# KiCad board jetson-orin-baseboard-oculink-expansion.kicad_pcb (continued)
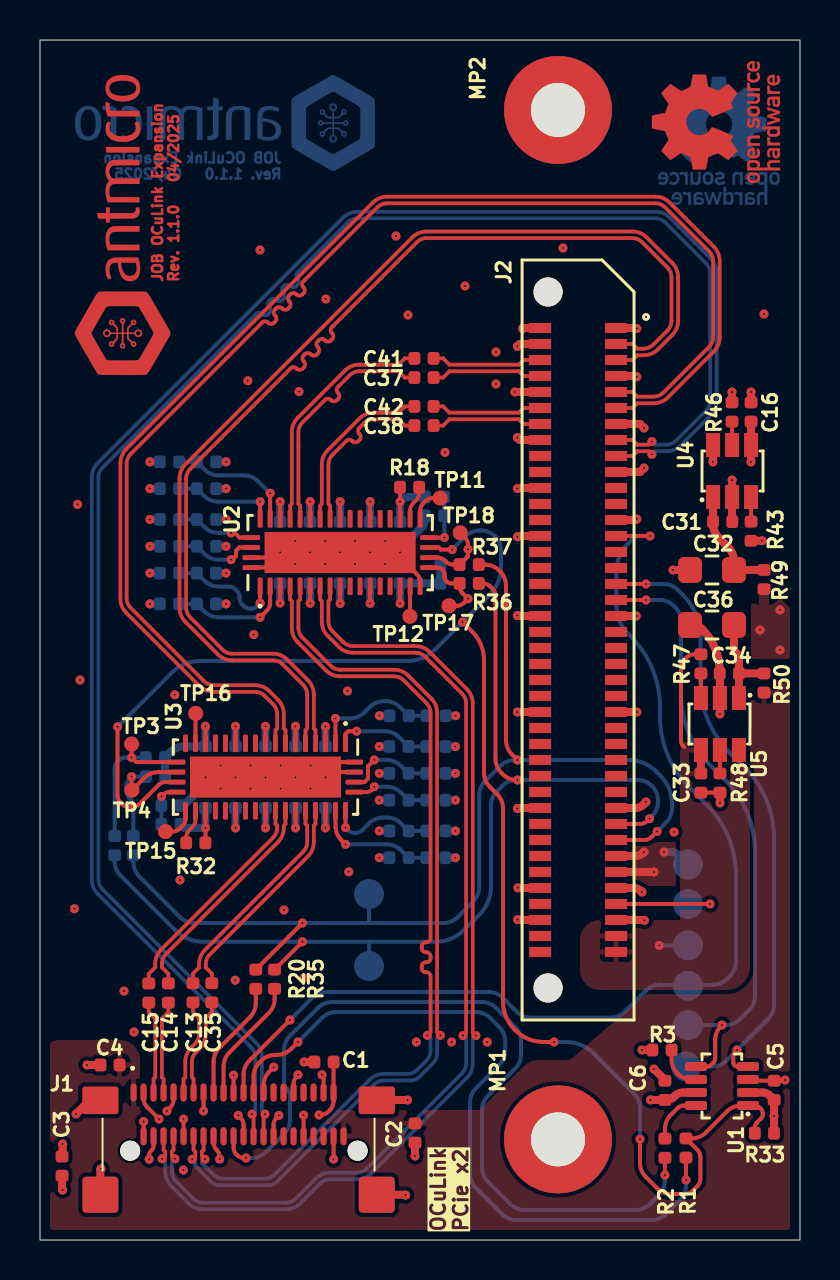
[diagram p0: board, top side]
## Library data of the parts (continued)
R46 = -: Datasheet: https://www.bourns.com/docs/product-datasheets/cr.pdf; Description: SMD Chip Resistor, 5.6 kohm, ± 1%, 62.5 mW, 0402 [1005 Metric], Thick Film, General Purpose; MPN: CR0402-FX-5601GLF; Manufacturer: Bourns; License: Apache-2.0; Author: Antmicro; Val: 5k6; Tolerance: 1%; Field10: Author: Antmicro; Field12: License: Apache-2.0
R48 = -: Datasheet: https://www.bourns.com/docs/product-datasheets/cr.pdf; Description: SMD Chip Resistor, 11.3 kohm, ± 1%, 62.5 mW, 0402 [1005 Metric], Thick Film, General Purpose; MPN: CR0402-FX-1132GLF; Manufacturer: Bourns; License: Apache-2.0; Author: Antmicro; Val: 11k3; Tolerance: 1%; Field10: License: Apache-2.0; Field12: Author: Antmicro
R50 = -: Datasheet: https://industrial.panasonic.com/cdbs/www-data/pdf/RDA0000/AOA0000C301.pdf; Description: SMD Chip Resistor, Jumper, 0 ohm, 100 mW, 0402 [1005 Metric], Thick Film, General Purpose; MPN: ERJ2GE0R00X; Manufacturer: Panasonic; License: Apache-2.0; Author: Antmicro; Val: 0R; Current: 1A; Field11: License: Apache-2.0; Field13: Author: Antmicro
TP1 = -: Description: test point, SMT; Author: Antmicro; License: Apache-2.0; Field9: License: Apache-2.0; Field10: Author: Antmicro
TP2 TP6 TP8 = -: Description: test point, SMT; Author: Antmicro; License: Apache-2.0; Field8: License: Apache-2.0; Field10: Author: Antmicro
TP3 TP4 = -: Description: SMT test point; Author: Antmicro; License: Apache-2.0; Public: False; Field9: Author: Antmicro; Field11: License: Apache-2.0
TP5 TP9 TP10 = -: Description: test point, SMT; Author: Antmicro; License: Apache-2.0; Field8: Author: Antmicro; Field9: License: Apache-2.0
TP7 = -: Description: test point, SMT; Author: Antmicro; License: Apache-2.0; Field8: Author: Antmicro; Field10: License: Apache-2.0
TP11 TP18 = -: Description: SMT test point; Author: Antmicro; License: Apache-2.0; Public: False; Field9: License: Apache-2.0; Field10: Author: Antmicro
TP12 = -: Description: SMT test point; Author: Antmicro; License: Apache-2.0; Public: False; Field9: License: Apache-2.0; Field11: Author: Antmicro
TP15 TP16 = -: Description: SMT test point; Author: Antmicro; License: Apache-2.0; Public: False; Field10: Author: Antmicro; Field11: License: Apache-2.0
TP17 = -: Description: SMT test point; Author: Antmicro; License: Apache-2.0; Public: False; Field10: License: Apache-2.0; Field11: Author: Antmicro
U1 = -: Datasheet: https://www.analog.com/en/products/max3373e.html; Description: ±15kV ESD-Protected, 1µA, 16Mbps, Dual/Quad Low-Voltage Level Translators in UCSP; Manufacturer: Analog Devices; Author: Antmicro; License: Apache-2.0; Field8: Author: Antmicro; Field10: License: Apache-2.0
U2 U3 = -: Datasheet: https://www.diodes.com/part/view/PI3EQX16904GL; Description: 16Gbps 4-Channel ReDriver with Linear Equalization; MPN: PI3EQX16904GLZHEX; Manufacturer: Diodes Incorporated; Author: Antmicro; License: Apache-2.0; Field8: License: Apache-2.0; Field10: Author: Antmicro
U4 = -: Datasheet: https://www.mouser.com/datasheet/2/115/DIOD_S_A0008958405_1-2543193.pdf; Description: Power Load Distribution Switch, High Side, Active High, 1 Output, 5.5 V, 3.6 A, 0.04 ohm, TSOT-26-6; MPN: AP22615AWU-7; Manufacturer: Diodes Incorporated; Author: Antmicro; License: Apache-2.0; Field9: Author: Antmicro; Field10: License: Apache-2.0
U5 = -: Datasheet: https://www.mouser.com/datasheet/2/115/DIOD_S_A0008958405_1-2543193.pdf; Description: Power Load Distribution Switch, High Side, Active High, 1 Output, 5.5 V, 3.6 A, 0.04 ohm, TSOT-26-6; MPN: AP22615AWU-7; Manufacturer: Diodes Incorporated; Author: Antmicro; License: Apache-2.0; Field8: License: Apache-2.0; Field10: Author: Antmicro

## Footprints (pads in the part's own frame, mm; a bottom-side part is the same pattern mirrored in y, then rotated)
Amphenol_G14A421211112HR
  round 1 hole 1 unplated: (-5.42,1.395) (5.95,1.395)
  rrect 0.31x0.91 smd: A1(-4.75,2.115) A2(-4.25,2.115) A3(-3.75,2.115) A4(-3.25,2.115) A5(-2.75,2.115) A6(-2.25,2.115) A7(-1.75,2.115) A8(-1.25,2.115) A9(-0.75,2.115) A10(-0.25,2.115) A11(0.25,2.115) A12(0.75,2.115) A13(1.25,2.115) A14(1.75,2.115) A15(2.25,2.115) A16(2.75,2.115) A17(3.25,2.115) A18(3.75,2.115) A19(4.25,2.115) A20(4.75,2.115) A21(5.25,2.115) B1(-5.25,4.305) B2(-4.75,4.305) B3(-4.25,4.305) B4(-3.75,4.305) B5(-3.25,4.305) B6(-2.75,4.305) B7(-2.25,4.305) B8(-1.75,4.305) B9(-1.25,4.305) B10(-0.75,4.305) B11(-0.25,4.305) B12(0.25,4.305) B13(0.75,4.305) B14(1.25,4.305) B15(1.75,4.305) B16(2.25,4.305) B17(2.75,4.305) B18(3.25,4.305) B19(3.75,4.305) B20(4.25,4.305) B21(4.75,4.305)
  rrect 1.81x1.38 smd: SH(-6.91,3.915) SH(6.91,3.915)
  rrect 1.8x1.81 smd: SH(-6.91,-0.805) SH(6.91,-0.805)
C_0402_1005Metric
  rrect 0.59x0.64 smd: 1(-0.48,0) 2(0.48,0)
C_0805_2012Metric
  rrect 1.2x1.3 smd: 1(-1.1,0) 2(1.1,0)
Conn_Plug_Samtec_ERM8_2x40_ERM8-040-05.0-L-DV-K-TR
  round 1.45 hole 1.45 unplated: (-17.401,-1.499) (17.399,-1.499)
  rect 0.5x1.1 smd: 1(-15.599,1.901) 2(-15.599,-1.898) 3(-14.801,1.901) 4(-14.801,-1.898) 5(-14,1.901) 6(-14,-1.898) 7(-13.202,1.901) 8(-13.202,-1.898) 9(-12.401,1.901) 10(-12.401,-1.898) 11(-11.599,1.901) 12(-11.599,-1.898) 13(-10.801,1.901) 14(-10.801,-1.898) 15(-10,1.901) 16(-10,-1.898) 17(-9.202,1.901) 18(-9.202,-1.898) 19(-8.401,1.901) 20(-8.401,-1.898) 21(-7.601,1.901) 22(-7.601,-1.898) 23(-6.8,1.901) 24(-6.8,-1.898) 25(-6,1.901) 26(-6,-1.898) 27(-5.202,1.901) 28(-5.202,-1.898) 29(-4.401,1.901) 30(-4.401,-1.898) 31(-3.601,1.901) 32(-3.601,-1.898) 33(-2.802,1.901) 34(-2.802,-1.898) 35(-2,1.901) 36(-2,-1.898) 37(-1.2,1.901) 38(-1.2,-1.898) 39(-0.404,1.901) 40(-0.404,-1.898) 41(0.4,1.901) 42(0.4,-1.898) 43(1.199,1.901) 44(1.199,-1.898) 45(1.999,1.901) 46(1.999,-1.898) 47(2.797,1.901) 48(2.797,-1.898) 49(3.6,1.901) 50(3.6,-1.898) 51(4.4,1.901) 52(4.4,-1.898) 53(5.2,1.901) 54(5.2,-1.898) 55(5.998,1.901) 56(5.998,-1.898) 57(6.799,1.901) 58(6.799,-1.898) 59(7.599,1.901) 60(7.599,-1.898) 61(8.4,1.901) 62(8.4,-1.898) 63(9.198,1.901) 64(9.198,-1.898) 65(9.999,1.901) 66(9.999,-1.898) 67(10.8,1.901) 68(10.8,-1.898) 69(11.598,1.901) 70(11.598,-1.898) 71(12.4,1.901) 72(12.4,-1.898) 73(13.198,1.901) 74(13.198,-1.898) 75(13.999,1.901) 76(13.999,-1.898) 77(14.8,1.901) 78(14.8,-1.898) 79(15.598,1.901) 80(15.598,-1.898)
MP_Pad5.4mm_Drill2.7mm
  round 5.4 hole 2.7: 1(0,0)
R_0402_1005Metric
  rrect 0.59x0.64 smd: 1(-0.48,0) 2(0.48,0)
SOT-23-8
  rrect 1.1x0.45 smd: 1(-1.3,0.975) 2(-1.3,0.325) 3(-1.3,-0.325) 4(-1.3,-0.975) 5(1.3,-0.975) 6(1.3,-0.325) 7(1.3,0.325) 8(1.3,0.975)
TP_SMD_0.75mm
  round 0.75 smd: 1(0,0)
TP_SMD_1.5mm
  round 1.5 smd: 1(0,0)
TSOT23-6
  rect 1.2x0.7 smd: 1(-1.301,0.947) 2(-1.301,-0.004) 3(-1.301,-0.954) 4(1.299,-0.954) 5(1.299,-0.004) 6(1.299,0.947)
WQFN-42-1EP_3.5x9mm_P0.5mm
  rrect 0.83x0.87 smd: (-0.51,3.242) (-0.51,2.161) (-0.51,1.081) (-0.51,0) (-0.51,-1.08) (-0.51,-2.16) (-0.51,-3.24) (0.508,3.242) (0.508,2.161) (0.508,1.081) (0.508,0) (0.508,-1.08) (0.508,-2.16) (0.508,-3.24)
  rrect 0.875x0.25 smd: 1(-1.688,4) 2(-1.688,3.5) 3(-1.688,3) 4(-1.688,2.5) 5(-1.688,2) 6(-1.688,1.5) 7(-1.688,1) 8(-1.688,0.5) 9(-1.688,0) 10(-1.688,-0.5) 11(-1.688,-1) 12(-1.688,-1.5) 13(-1.688,-2) 14(-1.688,-2.5) 15(-1.688,-3) 16(-1.688,-3.5) 17(-1.688,-4) 22(1.687,-4) 23(1.687,-3.5) 24(1.687,-3) 25(1.687,-2.5) 26(1.687,-2) 27(1.687,-1.5) 28(1.687,-1) 29(1.687,-0.5) 30(1.687,0) 31(1.687,0.5) 32(1.687,1) 33(1.687,1.5) 34(1.687,2) 35(1.687,2.5) 36(1.687,3) 37(1.687,3.5) 38(1.687,4)
  rrect 0.25x0.875 smd: 18(-0.75,-4.437) 19(-0.25,-4.437) 20(0.25,-4.437) 21(0.75,-4.437) 39(0.75,4.438) 40(0.25,4.438) 41(-0.25,4.438) 42(-0.75,4.438)
  rect 2.05x7.55 smd: 43(0,0)

## Nets
+1V8: C5.2 J2.73 TP10.1 U1.3
+3V3: C6.2 C7.2 C8.2 C9.2 C10.2 C11.2 C12.2 C16.2 C17.2 C18.2 C19.2 C20.2 C21.2 C22.2 C23.2 C24.2 C25.2 C26.2 C27.2 C28.2 C29.2 C30.2 J2.67 J2.69 R4.1 R6.1 R8.1 R10.1 R12.1 R14.1 R16.2 R17.1 R18.1 R21.1 R23.1 R25.1 R27.1 R29.1 R32.1 R38.1 R39.1 R40.2 R41.2 R42.2 R43.1 TP8.1 U1.7 U2.3 U2.6 U2.9 U2.12 U2.15 U2.24 U2.27 U2.30 U2.33 U2.36 U3.3 U3.6 U3.9 U3.12 U3.15 U3.24 U3.27 U3.30 U3.33 U3.36 U4.4 U4.6
+3V3_OCU: C1.2 C3.2 J1.A1 J1.B21 R49.2
+5V: C33.2 J2.77 J2.79 R47.1 TP9.1 U5.4 U5.6
+5V_OCU: C2.2 C4.2 J1.A21 J1.B1 R50.2
GND: C1.1 C2.1 C3.1 C4.1 C5.1 C6.1 C7.1 C8.1 C9.1 C10.1 C11.1 C12.1 C16.1 C17.1 C18.1 C19.1 C20.1 C21.1 C22.1 C23.1 C24.1 C25.1 C26.1 C27.1 C28.1 C29.1 C30.1 C31.1 C32.1 C33.1 C34.1 C36.1 J1.A2 J1.A5 J1.A8 J1.A11 J1.A14 J1.A17 J1.A20 J1.B2 J1.B5 J1.B8 J1.B11 J1.B14 J1.B17 J1.B20 J1.SH J2.1 J2.2 J2.4 J2.7 J2.10 J2.13 J2.16 J2.19 J2.22 J2.25 J2.28 J2.37 J2.38 J2.49 J2.50 J2.61 J2.62 J2.71 J2.72 J2.75 J2.76 MP1.1 MP2.1 R3.1 R5.1 R7.1 R9.1 R11.1 R13.1 R15.1 R19.1 R22.1 R24.1 R26.1 R28.1 R30.1 R31.1 R33.2 R34.1 R46.1 R48.1 U1.2 U2.17 U2.41 U2.42 U2.43 U3.41 U3.42 U3.43 U4.2 U5.2
/I2C_SCL: J2.65 R20.1 R37.1 R45.1 TP1.1
/I2C_SDA: J2.63 R35.1 R36.1 R44.1 TP2.1
/JOB_GPIO07: J2.33 TP5.1 U1.4
/JOB_GPIO09: J2.35 TP6.1 U1.5
/PCIE_CLK+: J1.A12 J2.17
/PCIE_CLK-: J1.A13 J2.15
/PCIE_{I}_C.RX0+: C38.2 U2.31
/PCIE_{I}_C.RX0-: C42.2 U2.32
/PCIE_{I}_C.RX1+: C37.2 U2.34
/PCIE_{I}_C.RX1-: C41.2 U2.35
/PCIE_{I}_RX0+: C38.1 J2.14
/PCIE_{I}_RX0-: C42.1 J2.12
/PCIE_{I}_RX1+: C37.1 J2.8
/PCIE_{I}_RX1-: C41.1 J2.6
/PCIE_{I}_TX0+: J2.11 U3.8
/PCIE_{I}_TX0-: J2.9 U3.7
/PCIE_{I}_TX1+: J2.5 U3.5
/PCIE_{I}_TX1-: J2.3 U3.4
/PCIE_{O}_C.TX0+: C15.1 U3.31
/PCIE_{O}_C.TX0-: C14.1 U3.32
/PCIE_{O}_C.TX1+: C13.1 U3.34
/PCIE_{O}_C.TX1-: C35.1 U3.35
/PCIE_{O}_RX0+: J1.A3 U2.8
/PCIE_{O}_RX0-: J1.A4 U2.7
/PCIE_{O}_RX1+: J1.A6 U2.5
/PCIE_{O}_RX1-: J1.A7 U2.4
/PCIE_{O}_TX0+: C15.2 J1.B3
/PCIE_{O}_TX0-: C14.2 J1.B4
/PCIE_{O}_TX1+: C13.2 J1.B6
/PCIE_{O}_TX1-: C35.2 J1.B7
/RX_EQ0: R4.2 R5.2 U2.39
/RX_EQ1: R6.2 R7.2 U2.40
/RX_EQ2: R8.2 R9.2 U2.1
/RX_FG0: R10.2 R11.2 U2.37
/RX_FG1: R12.2 R13.2 U2.38
/RX_SW: R14.2 R15.2 U2.2
/TX_EQ0: R17.2 R19.2 U3.39
/TX_EQ1: R21.2 R22.2 U3.40
/TX_EQ2: R23.2 R24.2 U3.1
/TX_FG0: R25.2 R26.2 U3.37
/TX_FG1: R27.2 R28.2 U3.38
/TX_SW: R29.2 R30.2 U3.2
/~{CPRSNT}: R1.1 R33.1 U1.1 U2.20 U3.20
/~{PCIE_CWAKE}: R2.1 U1.8
/~{PCIE_RST}: J1.B12 J2.27 TP7.1
Net-(J1-SCL): J1.B9 R20.2
Net-(J1-SDA): J1.B10 R35.2
Net-(J1-~{CPRSNT}): J1.B13 R1.2
Net-(J1-~{CWAKE}): J1.A10 R2.2
Net-(U1-~{THREE_STATE}): R3.2 U1.6
Net-(U2-EN_{I2C}): R31.2 R39.2 U2.21
Net-(U2-I2C_{DONE}): TP11.1 U2.22
Net-(U2-RXDET): R18.2 U2.23
Net-(U2-SCL): R37.2 R41.1 TP18.1 U2.19
Net-(U2-SDA): R16.1 R36.2 TP17.1 U2.18
Net-(U2-~{I2C_{RESET}}): TP12.1 U2.16
Net-(U3-EN_{I2C}): R34.2 R38.2 U3.21
Net-(U3-I2C_{DONE}): TP15.1 U3.22
Net-(U3-RXDET): R32.2 U3.23
Net-(U3-SCL): R40.1 R45.2 TP4.1 U3.19
Net-(U3-SDA): R42.1 R44.2 TP3.1 U3.18
Net-(U3-~{I2C_{RESET}}): TP16.1 U3.16
Net-(U4-FLG): R43.2 U4.3
Net-(U4-ISET): R46.2 U4.5
Net-(U4-OUT): C31.2 C32.2 R49.1 U4.1
Net-(U5-FLG): R47.2 U5.3
Net-(U5-ISET): R48.2 U5.5
Net-(U5-OUT): C34.2 C36.2 R50.1 U5.1

Pads without a net: J1 A9 A15 A16 A18 A19 B15 B16 B18 B19; J2 18 20 21 23 24 26 29 30 31 32 34 36 39 40 41 42 43 44 45 46 47 48 51 52 53 54 55 56 57 58 59 60 64 66 68 70 74 78 80; U2 10 11 13 14 25 26 28 29; U3 10 11 13 14 17 25 26 28 29

## Via types
v1: diameter 0.45, hole 0.1, Top to Bottom, 219 vias

## Routing (per net, layer and track width the routed paths; a pad name or vN(x,y) marks a point on that pad's centre or on a via; arc(x,y) is an arc through that point)
+1V8: length 7.6
  Top w0.2: 35.46,7.96 C5.2 37.21,7.96 v1(37.25,8) ; v1(33.5,16.8) J2.73
  Bottom w0.2: v1(33.5,16.8) 33.5,16.8 TP10.1
+3V3: length 65.6
  Top w0.2: U2.6 v1(13.5,31.84) ; U3.24 8.28,19.87 ; v1(12,36.92) U2.36 ; 15,32.69 v1(15,31.83) ; 18,32.69 v1(18,31.83) ; U3.33 v1(12.78,20.6) ; U2.30 v1(15,36.92) ; U2.24 18,37.64 ; U3.30 v1(11.28,20.6) ; U2.33 v1(13.5,36.92) ; 14.28,20.6 14.28,21.46 ; U3.36 v1(14.28,20.6) ; 8.28,24.83 v1(8.28,25.69) ; U3.27 v1(9.78,20.6) ; 16.5,32.69 v1(16.5,31.83) ; v1(12,31.85) U2.3 ; v1(14.28,25.67) U3.3 ; 11.28,24.83 v1(11.28,25.69) ; 12.78,24.83 12.78,25.59 ; U2.27 v1(16.5,36.92) ; 9.78,24.83 v1(9.78,25.69)
  Top w0.4: 32.8,7.38 32.12,7.38 arc(31.93,7.34) 31.77,7.23 31.69,7.15 arc(31.53,7.04) 31.34,7 ; C16.2 35.55,38.9 v1(35.55,38.9) ; v1(30.7,18.4) 30.7,18.4 J2.69 ; J2.67 29.79,19.2 arc(29.99,19.24) 30.15,19.35 v1(30.2,19.4) ; v1(30.53,7) C6.2 ; 33.65,39.75 33.65,38.9 ; v1(36.1,34.96) R43.1
  Bottom w0.4: v1(16.96,24.67) R23.1 ; 14.28,20.6 C17.2 v1(14.28,20.6) ; v1(11.28,20.6) C21.2 ; R38.1 7.21,20.6 v1(8.28,20.6) C29.2 ; v1(9.31,36.03) R4.1 ; v1(16.97,20.45) R27.1 ; v1(16.97,26.21) R29.1 ; v1(13.5,31.84) 13.5,32.84 ; TP8.1 31.92,19.25 arc(31.75,19.36) 31.56,19.4 v1(31.2,19.4) ; v1(9.3,33.35) R8.1 ; v1(9.31,38.91) R10.1 ; v1(16.96,23.33) R21.1 ; v1(15,31.83) 15,32.84 ; C7.2 v1(18,36.92) 18.09,37 arc(18.25,37.11) 18.45,37.15 R39.1 ; R41.2 20.02,32.84 ; v1(16.5,31.83) 16.5,32.84 ; v1(8.28,25.69) 8.28,24.68 ; v1(16.96,21.99) R17.1 ; v1(9.31,34.69) R6.1 ; v1(9.78,20.6) C25.2 ; 8.27,24.68 7.22,24.68 arc(6.84,24.6) 6.51,24.39 R42.2 6.25,23.17 ; v1(11.28,25.69) 11.28,24.68 ; v1(9.78,25.69) 9.78,24.68 ; v1(12,31.85) 12,32.84 ; v1(9.3,31.81) R14.1 ; v1(12,36.92) C27.2 ; v1(18,31.83) 18,32.84 ; v1(13.5,36.92) C23.2 ; v1(12.78,25.69) 12.78,24.68 ; v1(16.5,36.92) C9.2 ; v1(16.97,19.11) R25.1 ; v1(9.31,37.57) R12.1 ; v1(15,36.92) C11.2 ; v1(14.28,25.67) 14.28,24.68 ; C8.2 20.01,32.83 ; v1(12.78,20.6) C19.2
  vias: v1(33.65,38.9)
+3V3_OCU: length 4.4
  Top w0.2: v1(13.95,6.25) 14,6.25 arc(14.23,6.3) 14.43,6.43 14.5,6.5 arc(14.63,6.7) 14.68,6.93 J1.B21 14.68,8.9 ; v1(5.18,5.92) J1.A1
  Top w0.4: v1(1.13,4.8) 1.13,4.21
  vias: v1(36,30.5) v1(37,31.5) v1(37,29.5)
+5V: length 7.9
  Top w0.2: 32.2,24.65 32.17,24.68 arc(32.08,24.81) 32.05,24.97 32.05,28.6 arc(32.1,28.83) 32.23,29.03 32.31,29.11 arc(32.51,29.24) 32.74,29.29 R47.1
  Top w0.4: U5.4 33.05,23.33
  Bottom w0.2: v1(30.97,14.73) 32.33,14.73
GND: length 79.3
  Top w0.2: U2.41 11.74,34.12 ; v1(5.46,4.04) 5.46,4.24 arc(5.48,4.36) 5.54,4.45 5.59,4.5 arc(5.66,4.6) 5.68,4.71 J1.A2 ; J1.B8 v1(8.18,6.45) ; v1(7.18,6.04) 7.18,6.04 J1.A5 ; 18,34.14 18.86,33.28 arc(18.97,33.12) 19,32.93 ; J1.B20 14.18,8.18 v1(14.1,8.26) ; v1(14.68,4.04) 14.68,5.18 ; v1(5.95,6.05) 5.35,6.65 arc(5.22,6.84) 5.18,7.07 J1.B2 ; v1(11.94,6.23) 11.83,6.12 arc(11.72,5.95) 11.68,5.76 J1.A14 ; v1(9.91,6.23) 10.03,6.11 arc(10.14,5.95) 10.18,5.75 J1.A11 ; 15.71,23.9 15.04,23.9 v1(14.28,23.13) ; v1(13.18,6.24) 13.18,6.24 J1.A17 ; v1(9.68,8.24) J1.B11 ; C33.1 R48.1 ; v1(12.9,8.26) 12.85,8.22 arc(12.72,8.02) 12.68,7.79 J1.B17 ; v1(12,34.39) 11.24,33.62 U2.42 ; v1(6.35,6.45) 6.5,6.6 arc(6.63,6.8) 6.68,7.03 J1.B5 ; 15.71,23.4 14.54,23.4 ; v1(11.69,8.64) 11.47,8.43 arc(11.25,8.11) 11.18,7.72 ; v1(8.98,4.04) 8.98,4.15 arc(8.94,4.34) 8.84,4.5 8.83,4.51 arc(8.72,4.68) 8.68,4.87
  Top w0.4: v1(30.1,17.4) 30.05,17.45 arc(29.88,17.56) 29.69,17.6 J2.71 ; v1(23.87,44.69) 23.99,44.8 J2.4 ; J2.62 23.9,21.6 v1(23.87,21.57) ; v1(23.87,37.57) 23.9,37.6 J2.22 ; J2.16 23.98,40 v1(23.87,40.11) ; v1(23.88,16.02) 23.9,16 J2.76 ; C32.1 31.65,33.5 v1(31.65,33.5) ; v1(30.2,40.6) 30,40.8 J2.13 ; J1.SH 18.26,2.26 v1(18.28,2.24) ; J2.25 29.79,36 v1(29.84,36.05) ; R3.1 v1(30.1,9.5) ; U1.2 36.13,7.38 arc(36.32,7.34) 36.48,7.23 C5.1 ; v1(23.9,17.61) 23.9,17.6 J2.72 ; v1(29.84,43.16) 29.8,43.2 J2.7 ; C2.1 v1(18.75,4.2) ; 28.8,26.4 29.84,26.4 v1(29.84,26.4) ; 34.6,35.93 U4.2 v1(34.6,38) ; v1(24.12,45.57) 24.15,45.6 J2.2 ; J2.75 30.2,16 v1(30.22,15.98) ; v1(3.05,3.56) 3.02,3.53 J1.SH ; v1(34,26.3) U5.2 34,28.32 ; J2.1 29.81,45.6 v1(29.84,45.57) ; J2.28 23.91,35.2 v1(23.87,35.16) ; 36.7,7 v1(36.7,6.2) R33.2 ; v1(30.2,38.6) 30,38.4 J2.19 ; 32.9,30.75 33.11,30.54 arc(33.76,29.57) 33.99,28.42 C34.1 ; C3.1 1.1,2.53 ; 25,31.2 23.89,31.2 v1(23.87,31.22) ; J2.61 29.79,21.6 arc(29.99,21.64) 30.15,21.75 v1(30.3,21.9) ; v1(23.74,42.4) 23.75,42.4 J2.10 ; v1(34,21.85) R48.1 ; v1(18.38,7) 16.85,7 ; v1(35.55,42.4) C16.1 ; v1(23.87,26.4) 23.88,26.4 25,26.4 ; 2.48,6.98 v1(1.8,6.3) ; R46.1 v1(34.6,42.4) ; v1(30.7,8.55) 31.25,8 ; C4.1 v1(2.35,8.75) ; C1.1 v1(13.2,8.9) ; v1(29.82,31.2) 28.8,31.2
  Bottom w0.4: R34.1 7.18,21.72 8.03,22.57 C29.1 ; R22.1 v1(20.77,23.33) ; R19.1 v1(20.77,21.99) ; v1(5.5,38.91) 6,38.91 ; v1(5.5,33.35) 6,33.35 ; R26.1 v1(20.77,19.11) ; v1(5.5,37.57) 6,37.57 ; R24.1 v1(20.77,24.67) ; v1(5.5,34.69) 6,34.69 ; C7.1 18.19,34.95 arc(18.38,34.99) 18.55,35.1 19.09,35.64 arc(19.2,35.81) 19.24,36 R31.1 ; v1(5.5,36.03) 6,36.03 ; R30.1 v1(20.78,26.21) ; R28.1 v1(20.77,20.45) ; 6,31.81 v1(5.5,31.81)
  vias: v1(1.13,2.5) v1(1.72,16.56) v1(1.88,36.78) v1(2,28) v1(4.2,12.45) v1(4.7,10.4) v1(6.74,27.26) v1(7,18) v1(7.17,3.5) v1(8.28,23.13) v1(9.03,23.72) v1(9.03,22.57) v1(9.78,23.13) v1(9.76,12.99) v1(10.39,42.96) v1(10.53,23.72) v1(10.53,22.57) v1(10.69,30.27) v1(11,49.5) v1(11.28,23.13) v1(12.03,23.72) v1(12.03,22.57) v1(12.2,16.5) v1(12.75,34.95) v1(12.75,33.79) v1(12.78,23.13) v1(12.95,42.42) v1(13.2,13.1) v1(13.5,34.39) v1(13.53,23.72) v1(13.53,22.57) v1(14.29,47.05) v1(14.25,34.95) v1(14.25,33.79) v1(15,34.39) v1(15.38,27.45) v1(15.44,18.41) v1(15.75,34.95) v1(15.75,33.79) v1(16.5,34.39) v1(17.25,34.95) v1(17.25,33.79) v1(17.8,50.2) v1(18,34.39) v1(18.4,46.25) v1(18.82,9.9) v1(20.25,39.38) v1(20.58,9.9) v1(21.25,47.7) v1(22.36,9.9) v1(22.8,44.4) v1(22.8,42.8) v1(26.15,49.6) v1(31.7,20.4) v1(36.2,46.3)
/I2C_SCL: length 55.8
  Top w0.2: v1(30.86,20.43) 30.58,20.15 arc(30.41,20.04) 30.22,20 J2.65 ; R20.1 v1(13.12,15.85) ; 23.88,24 23.59,24.28 arc(23.38,24.61) 23.3,24.99 23.3,32.72 arc(23.22,33.1) 23.01,33.42 22.95,33.48 arc(22.63,33.69) 22.25,33.77 R37.1
  Bottom w0.2: 16.45,15.85 v1(13.12,15.85) 7.7,15.85 arc(7.32,15.93) 7,16.14 4.96,18.18 arc(4.75,18.5) 4.67,18.88 R45.1 ; 16.45,15.85 TP1.1 ; 16.45,15.85 20.18,15.85 arc(20.56,15.93) 20.88,16.14 21.67,16.93 arc(21.88,17.25) 21.96,17.63 21.96,22.23 arc(22.04,22.61) 22.25,22.94 23.02,23.71 arc(23.35,23.92) 23.73,24 23.88,24 ; v1(23.87,24) 29.41,24 arc(30.18,23.85) 30.83,23.41 31.01,23.23 arc(31.45,22.58) 31.6,21.81 31.6,21.59 arc(31.52,21.2) 31.31,20.88 v1(30.86,20.43)
/I2C_SDA: length 53
  Top w0.2: J2.63 30.01,20.8 arc(30.2,20.84) 30.36,20.95 v1(30.47,21.06) ; 21.93,32.83 22.15,32.83 arc(22.34,32.79) 22.51,32.68 22.63,32.56 arc(22.74,32.4) 22.78,32.21 22.78,24.06 arc(22.85,23.68) 23.07,23.36 23.13,23.29 arc(23.46,23.08) 23.84,23 v1(23.88,23) ; 13.12,14.91 R35.1
  Bottom w0.2: 16.45,14.91 19.78,14.91 arc(20.55,15.06) 21.19,15.49 21.96,16.26 arc(22.4,16.91) 22.55,17.68 22.55,21.72 arc(22.63,22.1) 22.84,22.43 23.12,22.71 arc(23.45,22.92) 23.83,23 v1(23.88,23) 29.89,23 arc(30.27,22.92) 30.59,22.71 30.61,22.69 arc(30.82,22.37) 30.9,21.99 30.9,21.9 arc(30.82,21.52) 30.61,21.2 v1(30.47,21.06) ; 16.45,14.91 TP2.1 ; 16.45,14.91 v1(13.12,14.91) 8.17,14.91 arc(7.4,15.06) 6.76,15.49 4.02,18.23 arc(3.81,18.55) 3.73,18.93 R44.1
/JOB_GPIO07: length 32.7
  Top w0.2: J2.33 30.3,32.8 v1(30.3,32.8) ; U1.4 34.87,8.68 arc(34.79,8.69) 34.73,8.73 34.72,8.74 arc(34.68,8.8) 34.66,8.88 34.66,9.23 arc(34.68,9.31) 34.72,9.37 v1(34.85,9.5)
  Bottom w0.2: TP5.1 33.61,8.68 arc(33.99,8.75) 34.32,8.97 v1(34.85,9.5) 36.41,11.06 arc(36.62,11.38) 36.7,11.76 36.7,20.08 arc(36.32,21.99) 35.24,23.61 34.49,24.36 arc(33.41,25.98) 33.02,27.9 33.02,30.13 arc(32.8,31.28) 32.15,32.25 31.89,32.51 arc(31.57,32.72) 31.19,32.8 v1(30.3,32.8)
/JOB_GPIO09: length 30.7
  Top w0.2: J2.35 v1(30.3,32) ; 32.8,8.68 33.35,8.68 arc(33.47,8.7) 33.56,8.76 33.67,8.87 arc(33.74,8.97) 33.76,9.08 33.76,10 arc(33.84,10.38) 34.05,10.7 v1(34.1,10.75)
  Bottom w0.2: TP6.1 v1(34.1,10.75) 34.3,10.75 arc(34.68,10.83) 35,11.04 35.46,11.5 arc(35.67,11.82) 35.75,12.2 35.75,19.43 arc(35.37,21.34) 34.29,22.96 33.51,23.74 arc(32.43,25.36) 32.05,27.27 32.05,30.94 arc(31.97,31.32) 31.76,31.64 31.69,31.71 arc(31.37,31.92) 30.98,32 v1(30.3,32)
/PCIE_CLK+: length 87.6
  Top w0.185: J1.A12 10.68,6.22 v1(10.61,6.29) ; v1(30.59,39.28) 30.43,39.44 29.86,39.44 29.63,39.2 J2.17
  Bottom w0.185: v1(30.59,39.28) 30.75,39.44 31.33,39.44 arc(31.71,39.51) 32.03,39.73 33.54,41.24 arc(33.76,41.56) 33.83,41.95 33.84,48.35 arc(33.76,48.74) 33.54,49.06 31.48,51.12 arc(31.16,51.34) 30.77,51.42 15.87,51.42 arc(15.49,51.34) 15.16,51.12 2.88,38.84 arc(2.67,38.52) 2.59,38.13 2.59,18.02 arc(2.67,17.63) 2.88,17.31 10.57,9.62 arc(10.71,9.41) 10.76,9.15 10.76,6.45 v1(10.61,6.29)
/PCIE_CLK-: length 87.6
  Top w0.185: J2.15 29.63,40 29.86,39.77 30.43,39.77 v1(30.59,39.92) ; J1.A13 11.18,6.22 v1(11.25,6.29)
  Bottom w0.185: v1(30.59,39.92) 30.75,39.77 31.33,39.77 arc(31.58,39.82) 31.8,39.96 33.31,41.47 arc(33.45,41.69) 33.51,41.95 33.51,48.35 arc(33.45,48.61) 33.31,48.83 31.25,50.89 arc(31.03,51.03) 30.77,51.09 15.87,51.08 arc(15.61,51.03) 15.4,50.89 12.86,48.36 arc(12.81,48.21) 12.86,48.07 12.89,48.05 arc(12.95,47.91) 12.89,47.77 12.82,47.7 arc(12.67,47.64) 12.53,47.7 12.51,47.72 arc(12.37,47.78) 12.23,47.72 12.16,47.65 arc(12.1,47.51) 12.16,47.37 12.18,47.34 arc(12.24,47.2) 12.18,47.06 12.11,46.99 arc(11.97,46.93) 11.83,46.99 11.8,47.01 arc(11.66,47.07) 11.52,47.01 11.45,46.94 arc(11.39,46.8) 11.45,46.66 11.47,46.64 arc(11.53,46.5) 11.47,46.35 11.4,46.28 arc(11.26,46.23) 11.12,46.28 11.1,46.31 arc(10.96,46.36) 10.81,46.31 3.12,38.61 arc(2.97,38.39) 2.92,38.13 2.92,18.02 arc(2.97,17.76) 3.12,17.54 10.8,9.86 arc(11.02,9.53) 11.09,9.15 11.09,6.45 v1(11.25,6.29)
/PCIE_{I}_C.RX0+: length 8.7
  Top w0.185: U2.31 14.5,36.72 14.42,36.8 14.42,38.78 arc(14.47,39.04) 14.62,39.25 15.32,39.96 arc(15.46,40.02) 15.6,39.96 15.63,39.94 arc(15.77,39.88) 15.91,39.94 15.98,40.01 arc(16.04,40.15) 15.98,40.29 15.96,40.31 arc(15.9,40.45) 15.96,40.59 16.2,40.84 arc(16.42,40.98) 16.68,41.04 17.93,41.04 18.24,40.72 C38.2
/PCIE_{I}_C.RX0-: length 8.7
  Top w0.185: C42.2 18.24,41.68 17.93,41.37 16.68,41.37 arc(16.29,41.29) 15.97,41.07 14.38,39.49 arc(14.17,39.16) 14.09,38.78 14.09,36.8 14,36.72 U2.32
/PCIE_{I}_C.RX1+: length 12.2
  Top w0.185: C37.2 18.24,43.12 17.93,43.44 15.96,43.44 arc(15.7,43.39) 15.48,43.24 14.89,42.65 arc(14.83,42.51) 14.89,42.36 14.91,42.34 arc(14.97,42.2) 14.91,42.06 14.84,41.99 arc(14.7,41.93) 14.56,41.99 14.54,42.01 arc(14.4,42.07) 14.25,42.01 13.12,40.87 arc(12.97,40.66) 12.92,40.4 12.92,39.63 12.92,36.8 13,36.72 U2.34
/PCIE_{I}_C.RX1-: length 12.2
  Top w0.185: C41.2 18.24,44.08 17.93,43.77 15.96,43.77 arc(15.58,43.69) 15.25,43.47 12.88,41.11 arc(12.67,40.78) 12.59,40.4 12.59,36.8 12.5,36.72 U2.35
/PCIE_{I}_RX0+: length 5.5
  Top w0.185: J2.14 24.18,40.8 23.94,41.04 20.47,41.04 20.16,40.72 C38.1
/PCIE_{I}_RX0-: length 5.5
  Top w0.185: C42.1 20.16,41.68 20.47,41.37 23.94,41.37 24.18,41.6 J2.12
/PCIE_{I}_RX1+: length 5.5
  Top w0.185: C37.1 20.16,43.12 20.47,43.44 23.94,43.44 24.18,43.2 J2.8
/PCIE_{I}_RX1-: length 5.5
  Top w0.185: J2.6 24.18,44 23.94,43.77 20.47,43.77 20.16,44.08 C41.1
/PCIE_{I}_TX0+: length 66.5
  Top w0.185: U3.8 11.78,25.49 11.86,25.58 11.86,26.3 arc(11.81,26.56) 11.66,26.78 11.23,27.21 arc(11.01,27.36) 10.75,27.41 8.68,27.41 arc(8.29,27.49) 7.97,27.7 4.31,31.36 arc(4.1,31.68) 4.02,32.07 4.02,38.84 arc(4.1,39.22) 4.31,39.55 16.64,51.87 arc(16.96,52.09) 17.35,52.17 30.77,52.17 arc(31.16,52.09) 31.48,51.87 33.69,49.66 arc(33.91,49.34) 33.99,48.95 33.99,45.14 arc(33.91,44.75) 33.69,44.43 31.39,42.13 arc(31.07,41.91) 30.69,41.84 29.86,41.84 29.63,41.6 J2.11
/PCIE_{I}_TX0-: length 66.5
  Top w0.185: U3.7 12.28,25.49 12.19,25.58 12.19,26.3 arc(12.11,26.69) 11.9,27.01 11.46,27.45 arc(11.14,27.66) 10.75,27.74 8.68,27.74 arc(8.42,27.79) 8.2,27.94 4.53,31.61 arc(4.38,31.83) 4.33,32.09 4.33,38.82 arc(4.38,39.08) 4.53,39.29 9.28,44.04 11.11,45.88 arc(11.25,45.94) 11.39,45.88 11.41,45.86 arc(11.56,45.8) 11.7,45.86 11.77,45.93 arc(11.83,46.07) 11.77,46.21 11.75,46.23 arc(11.69,46.37) 11.75,46.51 11.82,46.59 arc(11.96,46.64) 12.1,46.59 12.12,46.57 arc(12.26,46.51) 12.4,46.57 12.47,46.64 arc(12.53,46.78) 12.47,46.92 12.45,46.94 arc(12.4,47.08) 12.45,47.22 12.53,47.29 arc(12.67,47.35) 12.81,47.29 12.83,47.27 arc(12.97,47.21) 13.11,47.27 13.18,47.34 arc(13.24,47.48) 13.18,47.63 13.16,47.65 arc(13.1,47.79) 13.16,47.93 13.23,48 16.87,51.64 arc(17.09,51.78) 17.35,51.83 30.77,51.83 arc(31.03,51.78) 31.25,51.64 33.46,49.43 arc(33.6,49.21) 33.66,48.95 33.66,45.14 arc(33.6,44.88) 33.46,44.66 31.16,42.36 arc(30.94,42.22) 30.69,42.17 29.86,42.17 29.63,42.4 J2.9
/PCIE_{I}_TX1+: length 54.9
  Top w0.185: J2.5 29.63,44 29.86,44.24 30.19,44.24 arc(30.57,44.31) 30.89,44.53 31.61,45.25 arc(31.83,45.57) 31.91,45.96 31.91,48.14 arc(31.83,48.53) 31.61,48.85 30.33,50.13 arc(30.01,50.35) 29.62,50.42 19.33,50.42 arc(18.94,50.35) 18.62,50.13 7.27,38.78 arc(7.05,38.46) 6.97,38.07 6.97,31.62 arc(7.05,31.23) 7.27,30.91 8.9,29.28 arc(9.22,29.06) 9.61,28.98 11.65,28.99 arc(11.91,28.93) 12.13,28.79 13.16,27.75 arc(13.31,27.54) 13.36,27.28 13.36,25.58 13.28,25.49 U3.5
/PCIE_{I}_TX1-: length 54.9
  Top w0.185: U3.4 13.78,25.49 13.69,25.58 13.69,27.28 arc(13.61,27.66) 13.4,27.99 12.36,29.02 arc(12.04,29.24) 11.65,29.32 9.61,29.32 arc(9.35,29.37) 9.13,29.51 7.5,31.14 arc(7.36,31.36) 7.31,31.62 7.31,38.07 arc(7.36,38.33) 7.5,38.55 12.54,43.59 arc(12.68,43.64) 12.82,43.59 12.84,43.56 arc(12.98,43.51) 13.13,43.56 13.2,43.63 arc(13.26,43.78) 13.2,43.92 13.18,43.94 arc(13.12,44.08) 13.18,44.22 13.25,44.29 arc(13.39,44.35) 13.53,44.29 13.55,44.27 arc(13.69,44.21) 13.83,44.27 13.9,44.34 arc(13.96,44.48) 13.9,44.62 13.88,44.65 arc(13.82,44.79) 13.88,44.93 13.95,45 arc(14.09,45.06) 14.24,45 14.26,44.98 arc(14.4,44.92) 14.54,44.98 14.61,45.05 arc(14.67,45.19) 14.61,45.33 14.59,45.35 arc(14.53,45.49) 14.59,45.64 14.66,45.71 18.85,49.9 arc(19.07,50.04) 19.33,50.09 29.62,50.09 arc(29.88,50.04) 30.1,49.9 31.38,48.62 arc(31.52,48.4) 31.57,48.14 31.57,45.96 arc(31.52,45.7) 31.38,45.48 30.66,44.76 arc(30.44,44.62) 30.19,44.57 29.86,44.57 29.63,44.8 J2.3
/PCIE_{O}_C.TX0+: length 11.3
  Top w0.185: U3.31 11.78,20.8 11.86,20.72 11.86,20.6 arc(11.81,20.34) 11.66,20.13 6.06,14.52 arc(5.84,14.2) 5.76,13.81 5.76,13.64 5.44,13.31 C15.1
/PCIE_{O}_C.TX0-: length 11.3
  Top w0.185: U3.32 12.28,20.8 12.19,20.72 12.19,20.6 arc(12.11,20.22) 11.9,19.89 6.29,14.29 arc(6.14,14.07) 6.09,13.81 6.09,13.64 6.42,13.31 C14.1
/PCIE_{O}_C.TX1+: length 10.9
  Top w0.185: C13.1 7.65,13.32 7.95,13.63 7.95,13.79 arc(8.03,14.18) 8.25,14.5 13.16,19.42 arc(13.31,19.63) 13.36,19.89 13.36,20.72 13.28,20.8 U3.34
/PCIE_{O}_C.TX1-: length 10.9
  Top w0.185: C35.1 8.59,13.32 8.28,13.63 8.28,13.79 arc(8.34,14.05) 8.48,14.27 13.4,19.18 arc(13.61,19.51) 13.69,19.89 13.69,20.72 13.78,20.8 U3.35
/PCIE_{O}_RX0+: length 50.5
  Top w0.185: v1(21.79,10.22) 21.64,10.38 21.64,26.83 arc(21.56,27.21) 21.34,27.54 19.48,29.4 arc(19.16,29.62) 18.77,29.69 15.65,29.69 arc(15.39,29.75) 15.17,29.89 14.62,30.45 arc(14.47,30.66) 14.42,30.92 14.42,31.94 14.5,32.03 U2.8 ; J1.A3 6.18,4.5 6.26,4.42 6.26,4.22 v1(6.11,4.06)
  Bottom w0.185: v1(6.11,4.06) 6.26,3.9 6.26,3.42 arc(6.34,3.03) 6.56,2.71 7.44,1.83 arc(7.76,1.61) 8.15,1.53 12.3,1.53 arc(12.69,1.61) 13.01,1.83 14.02,2.84 arc(14.24,2.98) 14.5,3.03 15.85,3.03 arc(16.24,3.11) 16.56,3.33 21.34,8.11 arc(21.56,8.44) 21.64,8.82 21.64,10.07 v1(21.79,10.22)
